# KiCad board led_mapper_850_mirrored.kicad_pcb (continued)
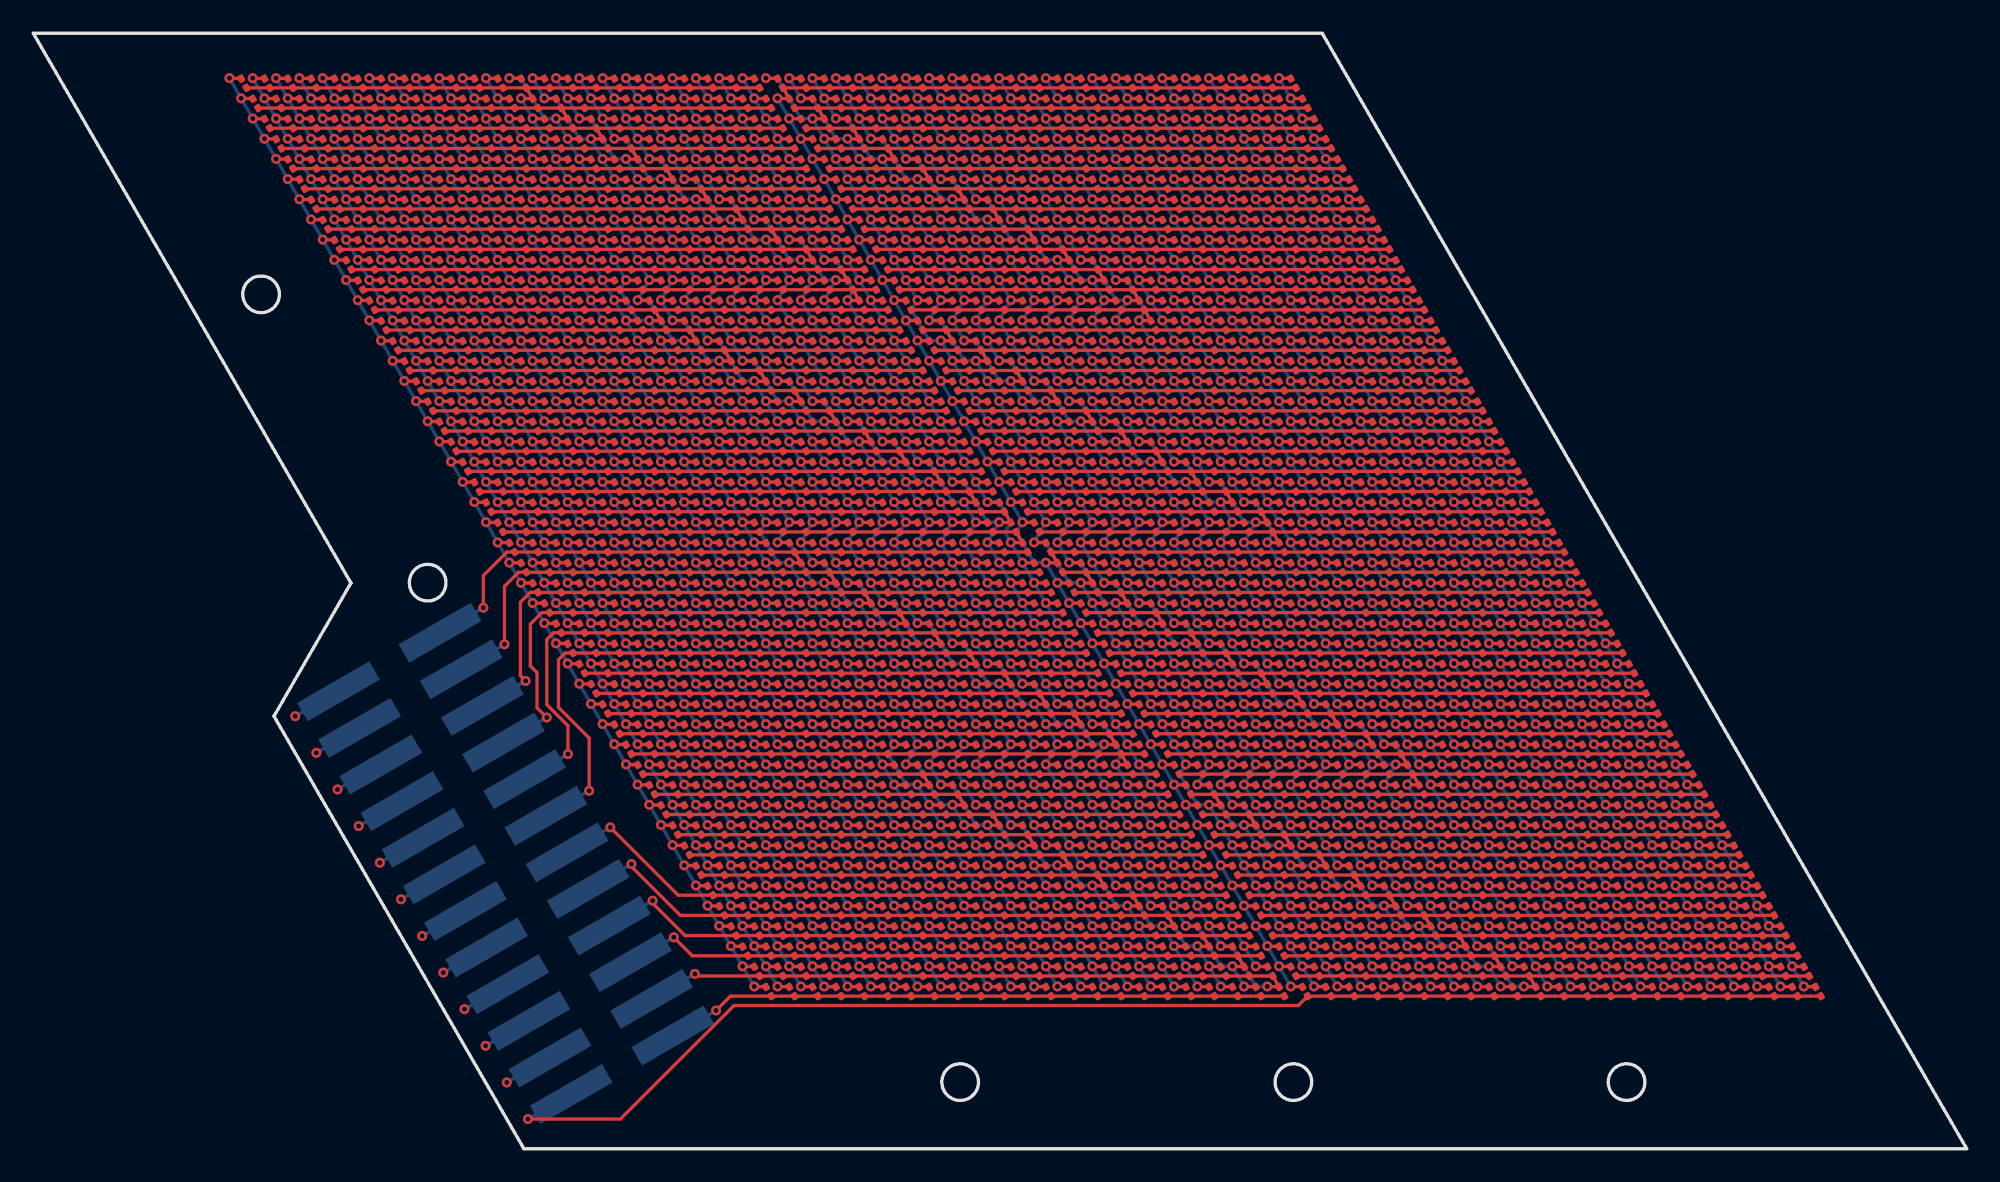
[diagram p0: board, top side]
## Placement (name value [footprint] x y rotation side) (continued)
D1548  LED  [LED_0201_0603Metric_XINGLIGHT]  58.13 23.99 120 top
D1549  LED  [LED_0201_0603Metric_XINGLIGHT]  56.73 23.99 120 top
D1550  LED  [LED_0201_0603Metric_XINGLIGHT]  55.33 23.99 120 top
D1551  LED  [LED_0201_0603Metric_XINGLIGHT]  53.93 23.99 120 top
D1552  LED  [LED_0201_0603Metric_XINGLIGHT]  52.53 23.99 120 top
D1553  LED  [LED_0201_0603Metric_XINGLIGHT]  51.13 23.99 120 top
D1554  LED  [LED_0201_0603Metric_XINGLIGHT]  49.73 23.99 120 top
D1555  LED  [LED_0201_0603Metric_XINGLIGHT]  48.33 23.99 120 top
D1556  LED  [LED_0201_0603Metric_XINGLIGHT]  46.93 23.99 120 top
D1557  LED  [LED_0201_0603Metric_XINGLIGHT]  45.53 23.99 120 top
D1558  LED  [LED_0201_0603Metric_XINGLIGHT]  44.13 23.99 120 top
D1559  LED  [LED_0201_0603Metric_XINGLIGHT]  42.73 23.99 120 top
D1560  LED  [LED_0201_0603Metric_XINGLIGHT]  41.33 23.99 120 top
D1561  LED  [LED_0201_0603Metric_XINGLIGHT]  39.93 23.99 120 top
D1562  LED  [LED_0201_0603Metric_XINGLIGHT]  38.53 23.99 120 top
D1563  LED  [LED_0201_0603Metric_XINGLIGHT]  37.13 23.99 120 top
D1564  LED  [LED_0201_0603Metric_XINGLIGHT]  35.73 23.99 120 top
D1565  LED  [LED_0201_0603Metric_XINGLIGHT]  99.43 22.78 120 top
D1566  LED  [LED_0201_0603Metric_XINGLIGHT]  98.03 22.78 120 top
D1567  LED  [LED_0201_0603Metric_XINGLIGHT]  96.63 22.78 120 top
D1568  LED  [LED_0201_0603Metric_XINGLIGHT]  95.23 22.78 120 top
D1569  LED  [LED_0201_0603Metric_XINGLIGHT]  93.83 22.78 120 top
D1570  LED  [LED_0201_0603Metric_XINGLIGHT]  92.43 22.78 120 top
D1571  LED  [LED_0201_0603Metric_XINGLIGHT]  91.03 22.78 120 top
D1572  LED  [LED_0201_0603Metric_XINGLIGHT]  89.63 22.78 120 top
D1573  LED  [LED_0201_0603Metric_XINGLIGHT]  88.23 22.78 120 top
D1574  LED  [LED_0201_0603Metric_XINGLIGHT]  86.83 22.78 120 top
D1575  LED  [LED_0201_0603Metric_XINGLIGHT]  85.43 22.78 120 top
D1576  LED  [LED_0201_0603Metric_XINGLIGHT]  84.03 22.78 120 top
D1577  LED  [LED_0201_0603Metric_XINGLIGHT]  82.63 22.78 120 top
D1578  LED  [LED_0201_0603Metric_XINGLIGHT]  81.23 22.78 120 top
D1579  LED  [LED_0201_0603Metric_XINGLIGHT]  79.83 22.78 120 top
D1580  LED  [LED_0201_0603Metric_XINGLIGHT]  78.43 22.78 120 top
D1581  LED  [LED_0201_0603Metric_XINGLIGHT]  77.03 22.78 120 top
D1582  LED  [LED_0201_0603Metric_XINGLIGHT]  75.63 22.78 120 top
D1583  LED  [LED_0201_0603Metric_XINGLIGHT]  74.23 22.78 120 top
D1584  LED  [LED_0201_0603Metric_XINGLIGHT]  72.83 22.78 120 top
D1585  LED  [LED_0201_0603Metric_XINGLIGHT]  71.43 22.78 120 top
D1586  LED  [LED_0201_0603Metric_XINGLIGHT]  70.03 22.78 120 top
D1587  LED  [LED_0201_0603Metric_XINGLIGHT]  68.63 22.78 120 top
D1588  LED  [LED_0201_0603Metric_XINGLIGHT]  44.13 9.44 120 top
D1589  LED  [LED_0201_0603Metric_XINGLIGHT]  45.53 9.44 120 top
D1590  LED  [LED_0201_0603Metric_XINGLIGHT]  46.93 9.44 120 top
D1591  LED  [LED_0201_0603Metric_XINGLIGHT]  48.33 9.44 120 top
D1592  LED  [LED_0201_0603Metric_XINGLIGHT]  49.73 9.44 120 top
D1593  LED  [LED_0201_0603Metric_XINGLIGHT]  51.13 9.44 120 top
D1594  LED  [LED_0201_0603Metric_XINGLIGHT]  52.53 9.44 120 top
D1595  LED  [LED_0201_0603Metric_XINGLIGHT]  53.93 9.44 120 top
D1596  LED  [LED_0201_0603Metric_XINGLIGHT]  55.33 9.44 120 top
D1597  LED  [LED_0201_0603Metric_XINGLIGHT]  56.73 9.44 120 top
D1598  LED  [LED_0201_0603Metric_XINGLIGHT]  58.13 9.44 120 top
D1599  LED  [LED_0201_0603Metric_XINGLIGHT]  59.53 9.44 120 top
D1600  LED  [LED_0201_0603Metric_XINGLIGHT]  60.93 9.44 120 top
D1601  LED  [LED_0201_0603Metric_XINGLIGHT]  62.33 9.44 120 top
D1602  LED  [LED_0201_0603Metric_XINGLIGHT]  63.73 9.44 120 top
D1603  LED  [LED_0201_0603Metric_XINGLIGHT]  65.13 9.44 120 top
D1604  LED  [LED_0201_0603Metric_XINGLIGHT]  66.53 9.44 120 top
D1605  LED  [LED_0201_0603Metric_XINGLIGHT]  67.93 9.44 120 top
D1606  LED  [LED_0201_0603Metric_XINGLIGHT]  69.33 9.44 120 top
D1607  LED  [LED_0201_0603Metric_XINGLIGHT]  70.73 9.44 120 top
D1608  LED  [LED_0201_0603Metric_XINGLIGHT]  72.13 9.44 120 top
D1609  LED  [LED_0201_0603Metric_XINGLIGHT]  73.53 9.44 120 top
D1610  LED  [LED_0201_0603Metric_XINGLIGHT]  74.93 9.44 120 top
D1611  LED  [LED_0201_0603Metric_XINGLIGHT]  76.33 9.44 120 top
D1612  LED  [LED_0201_0603Metric_XINGLIGHT]  77.73 9.44 120 top
D1613  LED  [LED_0201_0603Metric_XINGLIGHT]  79.13 9.44 120 top
D1614  LED  [LED_0201_0603Metric_XINGLIGHT]  80.53 9.44 120 top
D1615  LED  [LED_0201_0603Metric_XINGLIGHT]  81.93 9.44 120 top
D1616  LED  [LED_0201_0603Metric_XINGLIGHT]  83.33 9.44 120 top
D1617  LED  [LED_0201_0603Metric_XINGLIGHT]  84.73 9.44 120 top
D1618  LED  [LED_0201_0603Metric_XINGLIGHT]  86.13 9.44 120 top
D1619  LED  [LED_0201_0603Metric_XINGLIGHT]  87.53 9.44 120 top
D1620  LED  [LED_0201_0603Metric_XINGLIGHT]  88.93 9.44 120 top
D1621  LED  [LED_0201_0603Metric_XINGLIGHT]  90.33 9.44 120 top
D1622  LED  [LED_0201_0603Metric_XINGLIGHT]  91.73 9.44 120 top
D1623  LED  [LED_0201_0603Metric_XINGLIGHT]  93.13 9.44 120 top
D1624  LED  [LED_0201_0603Metric_XINGLIGHT]  94.53 9.44 120 top
D1625  LED  [LED_0201_0603Metric_XINGLIGHT]  95.93 9.44 120 top
D1626  LED  [LED_0201_0603Metric_XINGLIGHT]  97.33 9.44 120 top
D1627  LED  [LED_0201_0603Metric_XINGLIGHT]  98.73 9.44 120 top
D1628  LED  [LED_0201_0603Metric_XINGLIGHT]  100.13 9.44 120 top
D1629  LED  [LED_0201_0603Metric_XINGLIGHT]  101.53 9.44 120 top
D1630  LED  [LED_0201_0603Metric_XINGLIGHT]  102.93 9.44 120 top
D1631  LED  [LED_0201_0603Metric_XINGLIGHT]  104.33 9.44 120 top
D1632  LED  [LED_0201_0603Metric_XINGLIGHT]  105.73 9.44 120 top
D1633  LED  [LED_0201_0603Metric_XINGLIGHT]  107.13 9.44 120 top
D1634  LED  [LED_0201_0603Metric_XINGLIGHT]  43.43 10.65 120 top
D1635  LED  [LED_0201_0603Metric_XINGLIGHT]  44.83 10.65 120 top
D1636  LED  [LED_0201_0603Metric_XINGLIGHT]  46.23 10.65 120 top
D1637  LED  [LED_0201_0603Metric_XINGLIGHT]  47.63 10.65 120 top
D1638  LED  [LED_0201_0603Metric_XINGLIGHT]  49.03 10.65 120 top
D1639  LED  [LED_0201_0603Metric_XINGLIGHT]  50.43 10.65 120 top
D1640  LED  [LED_0201_0603Metric_XINGLIGHT]  51.83 10.65 120 top
D1641  LED  [LED_0201_0603Metric_XINGLIGHT]  53.23 10.65 120 top
D1642  LED  [LED_0201_0603Metric_XINGLIGHT]  54.63 10.65 120 top
D1643  LED  [LED_0201_0603Metric_XINGLIGHT]  56.03 10.65 120 top
D1644  LED  [LED_0201_0603Metric_XINGLIGHT]  57.43 10.65 120 top
D1645  LED  [LED_0201_0603Metric_XINGLIGHT]  58.83 10.65 120 top
D1646  LED  [LED_0201_0603Metric_XINGLIGHT]  60.23 10.65 120 top
D1647  LED  [LED_0201_0603Metric_XINGLIGHT]  61.63 10.65 120 top
D1648  LED  [LED_0201_0603Metric_XINGLIGHT]  63.03 10.65 120 top
D1649  LED  [LED_0201_0603Metric_XINGLIGHT]  64.43 10.65 120 top
D1650  LED  [LED_0201_0603Metric_XINGLIGHT]  65.83 10.65 120 top
D1651  LED  [LED_0201_0603Metric_XINGLIGHT]  67.23 10.65 120 top
D1652  LED  [LED_0201_0603Metric_XINGLIGHT]  68.63 10.65 120 top
D1653  LED  [LED_0201_0603Metric_XINGLIGHT]  70.03 10.65 120 top
D1654  LED  [LED_0201_0603Metric_XINGLIGHT]  71.43 10.65 120 top
D1655  LED  [LED_0201_0603Metric_XINGLIGHT]  72.83 10.65 120 top
D1656  LED  [LED_0201_0603Metric_XINGLIGHT]  74.23 10.65 120 top
D1657  LED  [LED_0201_0603Metric_XINGLIGHT]  75.63 10.65 120 top
D1658  LED  [LED_0201_0603Metric_XINGLIGHT]  77.03 10.65 120 top
D1659  LED  [LED_0201_0603Metric_XINGLIGHT]  78.43 10.65 120 top
D1660  LED  [LED_0201_0603Metric_XINGLIGHT]  79.83 10.65 120 top
D1661  LED  [LED_0201_0603Metric_XINGLIGHT]  81.23 10.65 120 top
D1662  LED  [LED_0201_0603Metric_XINGLIGHT]  82.63 10.65 120 top
D1663  LED  [LED_0201_0603Metric_XINGLIGHT]  84.03 10.65 120 top
D1664  LED  [LED_0201_0603Metric_XINGLIGHT]  85.43 10.65 120 top
D1665  LED  [LED_0201_0603Metric_XINGLIGHT]  86.83 10.65 120 top
D1666  LED  [LED_0201_0603Metric_XINGLIGHT]  88.23 10.65 120 top
D1667  LED  [LED_0201_0603Metric_XINGLIGHT]  89.63 10.65 120 top
D1668  LED  [LED_0201_0603Metric_XINGLIGHT]  91.03 10.65 120 top
D1669  LED  [LED_0201_0603Metric_XINGLIGHT]  92.43 10.65 120 top
D1670  LED  [LED_0201_0603Metric_XINGLIGHT]  93.83 10.65 120 top
D1671  LED  [LED_0201_0603Metric_XINGLIGHT]  95.23 10.65 120 top
D1672  LED  [LED_0201_0603Metric_XINGLIGHT]  96.63 10.65 120 top
D1673  LED  [LED_0201_0603Metric_XINGLIGHT]  98.03 10.65 120 top
D1674  LED  [LED_0201_0603Metric_XINGLIGHT]  99.43 10.65 120 top
D1675  LED  [LED_0201_0603Metric_XINGLIGHT]  100.83 10.65 120 top
D1676  LED  [LED_0201_0603Metric_XINGLIGHT]  102.23 10.65 120 top
D1677  LED  [LED_0201_0603Metric_XINGLIGHT]  103.63 10.65 120 top
D1678  LED  [LED_0201_0603Metric_XINGLIGHT]  105.03 10.65 120 top
D1679  LED  [LED_0201_0603Metric_XINGLIGHT]  106.43 10.65 120 top
D1680  LED  [LED_0201_0603Metric_XINGLIGHT]  42.73 11.87 120 top
D1681  LED  [LED_0201_0603Metric_XINGLIGHT]  44.13 11.87 120 top
D1682  LED  [LED_0201_0603Metric_XINGLIGHT]  45.53 11.87 120 top
D1683  LED  [LED_0201_0603Metric_XINGLIGHT]  46.93 11.87 120 top
D1684  LED  [LED_0201_0603Metric_XINGLIGHT]  48.33 11.87 120 top
D1685  LED  [LED_0201_0603Metric_XINGLIGHT]  49.73 11.87 120 top
D1686  LED  [LED_0201_0603Metric_XINGLIGHT]  51.13 11.87 120 top
D1687  LED  [LED_0201_0603Metric_XINGLIGHT]  52.53 11.87 120 top
D1688  LED  [LED_0201_0603Metric_XINGLIGHT]  53.93 11.87 120 top
D1689  LED  [LED_0201_0603Metric_XINGLIGHT]  55.33 11.87 120 top
D1690  LED  [LED_0201_0603Metric_XINGLIGHT]  56.73 11.87 120 top
D1691  LED  [LED_0201_0603Metric_XINGLIGHT]  58.13 11.87 120 top
D1692  LED  [LED_0201_0603Metric_XINGLIGHT]  59.53 11.87 120 top
D1693  LED  [LED_0201_0603Metric_XINGLIGHT]  60.93 11.87 120 top
D1694  LED  [LED_0201_0603Metric_XINGLIGHT]  62.33 11.87 120 top
D1695  LED  [LED_0201_0603Metric_XINGLIGHT]  63.73 11.87 120 top
D1696  LED  [LED_0201_0603Metric_XINGLIGHT]  65.13 11.87 120 top
D1697  LED  [LED_0201_0603Metric_XINGLIGHT]  66.53 11.87 120 top
D1698  LED  [LED_0201_0603Metric_XINGLIGHT]  67.93 11.87 120 top
D1699  LED  [LED_0201_0603Metric_XINGLIGHT]  69.33 11.87 120 top
D1700  LED  [LED_0201_0603Metric_XINGLIGHT]  70.73 11.87 120 top
D1701  LED  [LED_0201_0603Metric_XINGLIGHT]  72.13 11.87 120 top
D1702  LED  [LED_0201_0603Metric_XINGLIGHT]  73.53 11.87 120 top
D1703  LED  [LED_0201_0603Metric_XINGLIGHT]  74.93 11.87 120 top
D1704  LED  [LED_0201_0603Metric_XINGLIGHT]  76.33 11.87 120 top
D1705  LED  [LED_0201_0603Metric_XINGLIGHT]  77.73 11.87 120 top
D1706  LED  [LED_0201_0603Metric_XINGLIGHT]  79.13 11.87 120 top
D1707  LED  [LED_0201_0603Metric_XINGLIGHT]  80.53 11.87 120 top
D1708  LED  [LED_0201_0603Metric_XINGLIGHT]  81.93 11.87 120 top
D1709  LED  [LED_0201_0603Metric_XINGLIGHT]  83.33 11.87 120 top
D1710  LED  [LED_0201_0603Metric_XINGLIGHT]  84.73 11.87 120 top
D1711  LED  [LED_0201_0603Metric_XINGLIGHT]  86.13 11.87 120 top
D1712  LED  [LED_0201_0603Metric_XINGLIGHT]  87.53 11.87 120 top
D1713  LED  [LED_0201_0603Metric_XINGLIGHT]  88.93 11.87 120 top
D1714  LED  [LED_0201_0603Metric_XINGLIGHT]  90.33 11.87 120 top
D1715  LED  [LED_0201_0603Metric_XINGLIGHT]  91.73 11.87 120 top
D1716  LED  [LED_0201_0603Metric_XINGLIGHT]  93.13 11.87 120 top
D1717  LED  [LED_0201_0603Metric_XINGLIGHT]  94.53 11.87 120 top
D1718  LED  [LED_0201_0603Metric_XINGLIGHT]  95.93 11.87 120 top
D1719  LED  [LED_0201_0603Metric_XINGLIGHT]  97.33 11.87 120 top
D1720  LED  [LED_0201_0603Metric_XINGLIGHT]  98.73 11.87 120 top
D1721  LED  [LED_0201_0603Metric_XINGLIGHT]  100.13 11.87 120 top
D1722  LED  [LED_0201_0603Metric_XINGLIGHT]  101.53 11.87 120 top
D1723  LED  [LED_0201_0603Metric_XINGLIGHT]  102.93 11.87 120 top
D1724  LED  [LED_0201_0603Metric_XINGLIGHT]  104.33 11.87 120 top
D1725  LED  [LED_0201_0603Metric_XINGLIGHT]  105.73 11.87 120 top
D1726  LED  [LED_0201_0603Metric_XINGLIGHT]  42.03 13.08 120 top
D1727  LED  [LED_0201_0603Metric_XINGLIGHT]  43.43 13.08 120 top
D1728  LED  [LED_0201_0603Metric_XINGLIGHT]  44.83 13.08 120 top
D1729  LED  [LED_0201_0603Metric_XINGLIGHT]  46.23 13.08 120 top
D1730  LED  [LED_0201_0603Metric_XINGLIGHT]  47.63 13.08 120 top
D1731  LED  [LED_0201_0603Metric_XINGLIGHT]  49.03 13.08 120 top
D1732  LED  [LED_0201_0603Metric_XINGLIGHT]  50.43 13.08 120 top
D1733  LED  [LED_0201_0603Metric_XINGLIGHT]  51.83 13.08 120 top
D1734  LED  [LED_0201_0603Metric_XINGLIGHT]  53.23 13.08 120 top
D1735  LED  [LED_0201_0603Metric_XINGLIGHT]  54.63 13.08 120 top
D1736  LED  [LED_0201_0603Metric_XINGLIGHT]  56.03 13.08 120 top
D1737  LED  [LED_0201_0603Metric_XINGLIGHT]  57.43 13.08 120 top
D1738  LED  [LED_0201_0603Metric_XINGLIGHT]  58.83 13.08 120 top
D1739  LED  [LED_0201_0603Metric_XINGLIGHT]  60.23 13.08 120 top
D1740  LED  [LED_0201_0603Metric_XINGLIGHT]  61.63 13.08 120 top
D1741  LED  [LED_0201_0603Metric_XINGLIGHT]  63.03 13.08 120 top
D1742  LED  [LED_0201_0603Metric_XINGLIGHT]  64.43 13.08 120 top
D1743  LED  [LED_0201_0603Metric_XINGLIGHT]  65.83 13.08 120 top
D1744  LED  [LED_0201_0603Metric_XINGLIGHT]  67.23 13.08 120 top
D1745  LED  [LED_0201_0603Metric_XINGLIGHT]  68.63 13.08 120 top
D1746  LED  [LED_0201_0603Metric_XINGLIGHT]  70.03 13.08 120 top
D1747  LED  [LED_0201_0603Metric_XINGLIGHT]  71.43 13.08 120 top
D1748  LED  [LED_0201_0603Metric_XINGLIGHT]  72.83 13.08 120 top
D1749  LED  [LED_0201_0603Metric_XINGLIGHT]  74.23 13.08 120 top
D1750  LED  [LED_0201_0603Metric_XINGLIGHT]  75.63 13.08 120 top
D1751  LED  [LED_0201_0603Metric_XINGLIGHT]  77.03 13.08 120 top
D1752  LED  [LED_0201_0603Metric_XINGLIGHT]  78.43 13.08 120 top
D1753  LED  [LED_0201_0603Metric_XINGLIGHT]  79.83 13.08 120 top
D1754  LED  [LED_0201_0603Metric_XINGLIGHT]  81.23 13.08 120 top
D1755  LED  [LED_0201_0603Metric_XINGLIGHT]  82.63 13.08 120 top
D1756  LED  [LED_0201_0603Metric_XINGLIGHT]  84.03 13.08 120 top
D1757  LED  [LED_0201_0603Metric_XINGLIGHT]  85.43 13.08 120 top
D1758  LED  [LED_0201_0603Metric_XINGLIGHT]  86.83 13.08 120 top
D1759  LED  [LED_0201_0603Metric_XINGLIGHT]  88.23 13.08 120 top
D1760  LED  [LED_0201_0603Metric_XINGLIGHT]  89.63 13.08 120 top
D1761  LED  [LED_0201_0603Metric_XINGLIGHT]  91.03 13.08 120 top
D1762  LED  [LED_0201_0603Metric_XINGLIGHT]  92.43 13.08 120 top
D1763  LED  [LED_0201_0603Metric_XINGLIGHT]  93.83 13.08 120 top
D1764  LED  [LED_0201_0603Metric_XINGLIGHT]  95.23 13.08 120 top
D1765  LED  [LED_0201_0603Metric_XINGLIGHT]  96.63 13.08 120 top
D1766  LED  [LED_0201_0603Metric_XINGLIGHT]  98.03 13.08 120 top
D1767  LED  [LED_0201_0603Metric_XINGLIGHT]  99.43 13.08 120 top
D1768  LED  [LED_0201_0603Metric_XINGLIGHT]  100.83 13.08 120 top
D1769  LED  [LED_0201_0603Metric_XINGLIGHT]  102.23 13.08 120 top
D1770  LED  [LED_0201_0603Metric_XINGLIGHT]  103.63 13.08 120 top
D1771  LED  [LED_0201_0603Metric_XINGLIGHT]  105.03 13.08 120 top
D1772  LED  [LED_0201_0603Metric_XINGLIGHT]  41.33 14.29 120 top
D1773  LED  [LED_0201_0603Metric_XINGLIGHT]  42.73 14.29 120 top
D1774  LED  [LED_0201_0603Metric_XINGLIGHT]  44.13 14.29 120 top
D1775  LED  [LED_0201_0603Metric_XINGLIGHT]  45.53 14.29 120 top
D1776  LED  [LED_0201_0603Metric_XINGLIGHT]  46.93 14.29 120 top
D1777  LED  [LED_0201_0603Metric_XINGLIGHT]  48.33 14.29 120 top
D1778  LED  [LED_0201_0603Metric_XINGLIGHT]  49.73 14.29 120 top
D1779  LED  [LED_0201_0603Metric_XINGLIGHT]  51.13 14.29 120 top
D1780  LED  [LED_0201_0603Metric_XINGLIGHT]  52.53 14.29 120 top
D1781  LED  [LED_0201_0603Metric_XINGLIGHT]  53.93 14.29 120 top
D1782  LED  [LED_0201_0603Metric_XINGLIGHT]  55.33 14.29 120 top
D1783  LED  [LED_0201_0603Metric_XINGLIGHT]  56.73 14.29 120 top
D1784  LED  [LED_0201_0603Metric_XINGLIGHT]  58.13 14.29 120 top
D1785  LED  [LED_0201_0603Metric_XINGLIGHT]  59.53 14.29 120 top
D1786  LED  [LED_0201_0603Metric_XINGLIGHT]  60.93 14.29 120 top
D1787  LED  [LED_0201_0603Metric_XINGLIGHT]  62.33 14.29 120 top
D1788  LED  [LED_0201_0603Metric_XINGLIGHT]  63.73 14.29 120 top
D1789  LED  [LED_0201_0603Metric_XINGLIGHT]  65.13 14.29 120 top
D1790  LED  [LED_0201_0603Metric_XINGLIGHT]  66.53 14.29 120 top
D1791  LED  [LED_0201_0603Metric_XINGLIGHT]  67.93 14.29 120 top
D1792  LED  [LED_0201_0603Metric_XINGLIGHT]  69.33 14.29 120 top
D1793  LED  [LED_0201_0603Metric_XINGLIGHT]  70.73 14.29 120 top
D1794  LED  [LED_0201_0603Metric_XINGLIGHT]  72.13 14.29 120 top
D1795  LED  [LED_0201_0603Metric_XINGLIGHT]  73.53 14.29 120 top
D1796  LED  [LED_0201_0603Metric_XINGLIGHT]  74.93 14.29 120 top
D1797  LED  [LED_0201_0603Metric_XINGLIGHT]  76.33 14.29 120 top
D1798  LED  [LED_0201_0603Metric_XINGLIGHT]  77.73 14.29 120 top
D1799  LED  [LED_0201_0603Metric_XINGLIGHT]  79.13 14.29 120 top
D1800  LED  [LED_0201_0603Metric_XINGLIGHT]  80.53 14.29 120 top
D1801  LED  [LED_0201_0603Metric_XINGLIGHT]  81.93 14.29 120 top
D1802  LED  [LED_0201_0603Metric_XINGLIGHT]  83.33 14.29 120 top
D1803  LED  [LED_0201_0603Metric_XINGLIGHT]  84.73 14.29 120 top
D1804  LED  [LED_0201_0603Metric_XINGLIGHT]  86.13 14.29 120 top
D1805  LED  [LED_0201_0603Metric_XINGLIGHT]  87.53 14.29 120 top
D1806  LED  [LED_0201_0603Metric_XINGLIGHT]  88.93 14.29 120 top
D1807  LED  [LED_0201_0603Metric_XINGLIGHT]  90.33 14.29 120 top
D1808  LED  [LED_0201_0603Metric_XINGLIGHT]  91.73 14.29 120 top
D1809  LED  [LED_0201_0603Metric_XINGLIGHT]  93.13 14.29 120 top
D1810  LED  [LED_0201_0603Metric_XINGLIGHT]  94.53 14.29 120 top
D1811  LED  [LED_0201_0603Metric_XINGLIGHT]  95.93 14.29 120 top
D1812  LED  [LED_0201_0603Metric_XINGLIGHT]  97.33 14.29 120 top
D1813  LED  [LED_0201_0603Metric_XINGLIGHT]  98.73 14.29 120 top
D1814  LED  [LED_0201_0603Metric_XINGLIGHT]  100.13 14.29 120 top
D1815  LED  [LED_0201_0603Metric_XINGLIGHT]  101.53 14.29 120 top
D1816  LED  [LED_0201_0603Metric_XINGLIGHT]  102.93 14.29 120 top
D1817  LED  [LED_0201_0603Metric_XINGLIGHT]  104.33 14.29 120 top
D1818  LED  [LED_0201_0603Metric_XINGLIGHT]  40.63 15.5 120 top
D1819  LED  [LED_0201_0603Metric_XINGLIGHT]  42.03 15.5 120 top
D1820  LED  [LED_0201_0603Metric_XINGLIGHT]  43.43 15.5 120 top
D1821  LED  [LED_0201_0603Metric_XINGLIGHT]  44.83 15.5 120 top
D1822  LED  [LED_0201_0603Metric_XINGLIGHT]  46.23 15.5 120 top
D1823  LED  [LED_0201_0603Metric_XINGLIGHT]  47.63 15.5 120 top
D1824  LED  [LED_0201_0603Metric_XINGLIGHT]  49.03 15.5 120 top
D1825  LED  [LED_0201_0603Metric_XINGLIGHT]  50.43 15.5 120 top
D1826  LED  [LED_0201_0603Metric_XINGLIGHT]  51.83 15.5 120 top
D1827  LED  [LED_0201_0603Metric_XINGLIGHT]  53.23 15.5 120 top
D1828  LED  [LED_0201_0603Metric_XINGLIGHT]  54.63 15.5 120 top
D1829  LED  [LED_0201_0603Metric_XINGLIGHT]  56.03 15.5 120 top
D1830  LED  [LED_0201_0603Metric_XINGLIGHT]  57.43 15.5 120 top
D1831  LED  [LED_0201_0603Metric_XINGLIGHT]  58.83 15.5 120 top
D1832  LED  [LED_0201_0603Metric_XINGLIGHT]  60.23 15.5 120 top
D1833  LED  [LED_0201_0603Metric_XINGLIGHT]  61.63 15.5 120 top
D1834  LED  [LED_0201_0603Metric_XINGLIGHT]  63.03 15.5 120 top
D1835  LED  [LED_0201_0603Metric_XINGLIGHT]  64.43 15.5 120 top
D1836  LED  [LED_0201_0603Metric_XINGLIGHT]  65.83 15.5 120 top
D1837  LED  [LED_0201_0603Metric_XINGLIGHT]  67.23 15.5 120 top
D1838  LED  [LED_0201_0603Metric_XINGLIGHT]  68.63 15.5 120 top
D1839  LED  [LED_0201_0603Metric_XINGLIGHT]  70.03 15.5 120 top
D1840  LED  [LED_0201_0603Metric_XINGLIGHT]  71.43 15.5 120 top
D1841  LED  [LED_0201_0603Metric_XINGLIGHT]  72.83 15.5 120 top
D1842  LED  [LED_0201_0603Metric_XINGLIGHT]  74.23 15.5 120 top
D1843  LED  [LED_0201_0603Metric_XINGLIGHT]  75.63 15.5 120 top
D1844  LED  [LED_0201_0603Metric_XINGLIGHT]  77.03 15.5 120 top
D1845  LED  [LED_0201_0603Metric_XINGLIGHT]  78.43 15.5 120 top
D1846  LED  [LED_0201_0603Metric_XINGLIGHT]  79.83 15.5 120 top
D1847  LED  [LED_0201_0603Metric_XINGLIGHT]  81.23 15.5 120 top
D1848  LED  [LED_0201_0603Metric_XINGLIGHT]  82.63 15.5 120 top
D1849  LED  [LED_0201_0603Metric_XINGLIGHT]  84.03 15.5 120 top
D1850  LED  [LED_0201_0603Metric_XINGLIGHT]  85.43 15.5 120 top
D1851  LED  [LED_0201_0603Metric_XINGLIGHT]  86.83 15.5 120 top
D1852  LED  [LED_0201_0603Metric_XINGLIGHT]  88.23 15.5 120 top
D1853  LED  [LED_0201_0603Metric_XINGLIGHT]  89.63 15.5 120 top
D1854  LED  [LED_0201_0603Metric_XINGLIGHT]  91.03 15.5 120 top
D1855  LED  [LED_0201_0603Metric_XINGLIGHT]  92.43 15.5 120 top
D1856  LED  [LED_0201_0603Metric_XINGLIGHT]  93.83 15.5 120 top
D1857  LED  [LED_0201_0603Metric_XINGLIGHT]  95.23 15.5 120 top
D1858  LED  [LED_0201_0603Metric_XINGLIGHT]  96.63 15.5 120 top
D1859  LED  [LED_0201_0603Metric_XINGLIGHT]  98.03 15.5 120 top
D1860  LED  [LED_0201_0603Metric_XINGLIGHT]  99.43 15.5 120 top
D1861  LED  [LED_0201_0603Metric_XINGLIGHT]  100.83 15.5 120 top
D1862  LED  [LED_0201_0603Metric_XINGLIGHT]  102.23 15.5 120 top
D1863  LED  [LED_0201_0603Metric_XINGLIGHT]  103.63 15.5 120 top
D1864  LED  [LED_0201_0603Metric_XINGLIGHT]  39.93 16.72 120 top
D1865  LED  [LED_0201_0603Metric_XINGLIGHT]  41.33 16.72 120 top
D1866  LED  [LED_0201_0603Metric_XINGLIGHT]  42.73 16.72 120 top
D1867  LED  [LED_0201_0603Metric_XINGLIGHT]  44.13 16.72 120 top
D1868  LED  [LED_0201_0603Metric_XINGLIGHT]  45.53 16.72 120 top
D1869  LED  [LED_0201_0603Metric_XINGLIGHT]  46.93 16.72 120 top
D1870  LED  [LED_0201_0603Metric_XINGLIGHT]  48.33 16.72 120 top
D1871  LED  [LED_0201_0603Metric_XINGLIGHT]  49.73 16.72 120 top
D1872  LED  [LED_0201_0603Metric_XINGLIGHT]  51.13 16.72 120 top
D1873  LED  [LED_0201_0603Metric_XINGLIGHT]  52.53 16.72 120 top
D1874  LED  [LED_0201_0603Metric_XINGLIGHT]  53.93 16.72 120 top
D1875  LED  [LED_0201_0603Metric_XINGLIGHT]  55.33 16.72 120 top
D1876  LED  [LED_0201_0603Metric_XINGLIGHT]  56.73 16.72 120 top
D1877  LED  [LED_0201_0603Metric_XINGLIGHT]  58.13 16.72 120 top
D1878  LED  [LED_0201_0603Metric_XINGLIGHT]  59.53 16.72 120 top
D1879  LED  [LED_0201_0603Metric_XINGLIGHT]  60.93 16.72 120 top
D1880  LED  [LED_0201_0603Metric_XINGLIGHT]  62.33 16.72 120 top
D1881  LED  [LED_0201_0603Metric_XINGLIGHT]  63.73 16.72 120 top
D1882  LED  [LED_0201_0603Metric_XINGLIGHT]  65.13 16.72 120 top
D1883  LED  [LED_0201_0603Metric_XINGLIGHT]  66.53 16.72 120 top
D1884  LED  [LED_0201_0603Metric_XINGLIGHT]  67.93 16.72 120 top
D1885  LED  [LED_0201_0603Metric_XINGLIGHT]  69.33 16.72 120 top
D1886  LED  [LED_0201_0603Metric_XINGLIGHT]  70.73 16.72 120 top
D1887  LED  [LED_0201_0603Metric_XINGLIGHT]  72.13 16.72 120 top
D1888  LED  [LED_0201_0603Metric_XINGLIGHT]  73.53 16.72 120 top
D1889  LED  [LED_0201_0603Metric_XINGLIGHT]  74.93 16.72 120 top
D1890  LED  [LED_0201_0603Metric_XINGLIGHT]  76.33 16.72 120 top
D1891  LED  [LED_0201_0603Metric_XINGLIGHT]  77.73 16.72 120 top
D1892  LED  [LED_0201_0603Metric_XINGLIGHT]  79.13 16.72 120 top
D1893  LED  [LED_0201_0603Metric_XINGLIGHT]  80.53 16.72 120 top
D1894  LED  [LED_0201_0603Metric_XINGLIGHT]  81.93 16.72 120 top
D1895  LED  [LED_0201_0603Metric_XINGLIGHT]  83.33 16.72 120 top
D1896  LED  [LED_0201_0603Metric_XINGLIGHT]  84.73 16.72 120 top
D1897  LED  [LED_0201_0603Metric_XINGLIGHT]  86.13 16.72 120 top
D1898  LED  [LED_0201_0603Metric_XINGLIGHT]  87.53 16.72 120 top
D1899  LED  [LED_0201_0603Metric_XINGLIGHT]  88.93 16.72 120 top
D1900  LED  [LED_0201_0603Metric_XINGLIGHT]  90.33 16.72 120 top
D1901  LED  [LED_0201_0603Metric_XINGLIGHT]  91.73 16.72 120 top
D1902  LED  [LED_0201_0603Metric_XINGLIGHT]  93.13 16.72 120 top
D1903  LED  [LED_0201_0603Metric_XINGLIGHT]  94.53 16.72 120 top
D1904  LED  [LED_0201_0603Metric_XINGLIGHT]  95.93 16.72 120 top
D1905  LED  [LED_0201_0603Metric_XINGLIGHT]  97.33 16.72 120 top
D1906  LED  [LED_0201_0603Metric_XINGLIGHT]  98.73 16.72 120 top
D1907  LED  [LED_0201_0603Metric_XINGLIGHT]  100.13 16.72 120 top
D1908  LED  [LED_0201_0603Metric_XINGLIGHT]  101.53 16.72 120 top
D1909  LED  [LED_0201_0603Metric_XINGLIGHT]  102.93 16.72 120 top
D1910  LED  [LED_0201_0603Metric_XINGLIGHT]  39.23 17.93 120 top
D1911  LED  [LED_0201_0603Metric_XINGLIGHT]  40.63 17.93 120 top
D1912  LED  [LED_0201_0603Metric_XINGLIGHT]  42.03 17.93 120 top
D1913  LED  [LED_0201_0603Metric_XINGLIGHT]  43.43 17.93 120 top
D1914  LED  [LED_0201_0603Metric_XINGLIGHT]  44.83 17.93 120 top
D1915  LED  [LED_0201_0603Metric_XINGLIGHT]  46.23 17.93 120 top
D1916  LED  [LED_0201_0603Metric_XINGLIGHT]  47.63 17.93 120 top
D1917  LED  [LED_0201_0603Metric_XINGLIGHT]  49.03 17.93 120 top
D1918  LED  [LED_0201_0603Metric_XINGLIGHT]  50.43 17.93 120 top
D1919  LED  [LED_0201_0603Metric_XINGLIGHT]  51.83 17.93 120 top
D1920  LED  [LED_0201_0603Metric_XINGLIGHT]  53.23 17.93 120 top
D1921  LED  [LED_0201_0603Metric_XINGLIGHT]  54.63 17.93 120 top
D1922  LED  [LED_0201_0603Metric_XINGLIGHT]  56.03 17.93 120 top